# KiCad board Quanta75_RP2040Stamp_JLCPCBAoptimized.kicad_pcb (continued)
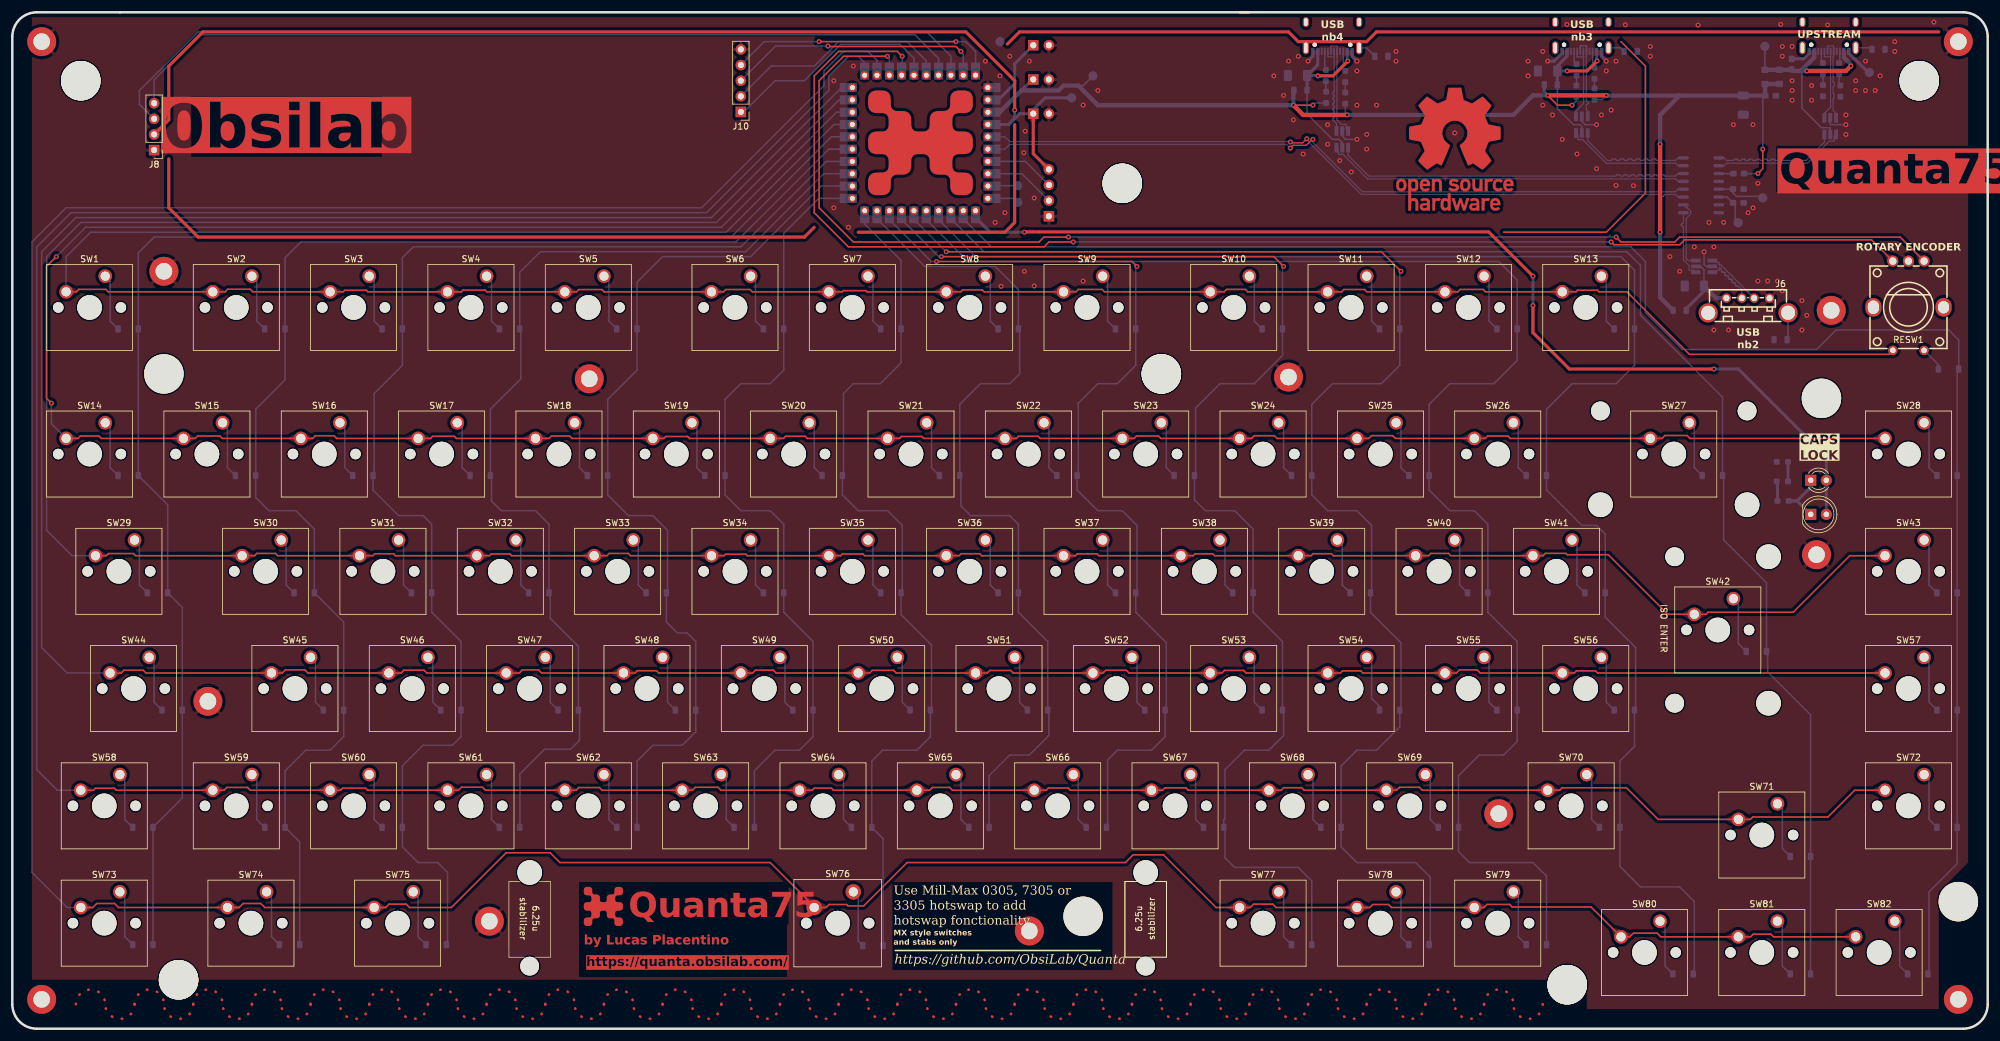
[diagram p0: board, top side]
## Routing (per net, layer and track width the routed paths; a pad name or vN(x,y) marks a point on that pad's centre or on a via; arc(x,y) is an arc through that point) (continued)
USB1_D-: length 117.4
  Top w0.2: v1(210.14,144.57) 209.47,143.9 207.6,143.9 v1(207.47,144.03)
  Bottom w0.2: U2.3 270.4,135.1 269.99,135.51 268.29,135.51 arc(268.16,135.46) 268.11,135.34 arc(268.06,135.21) 267.94,135.16 267.89,135.16 arc(267.76,135.21) 267.71,135.34 arc(267.66,135.46) 267.54,135.51 218.98,135.51 210.14,144.34 v1(210.14,144.57) ; U1.35 161.12,144.88 161.89,144.1 207.4,144.1 v1(207.47,144.03)
USB2_D+: length 11.3
  Bottom w0.2: D84.6 272.02,124.78 271.73,125.07 271.73,131.59 272.45,132.32 272.45,132.8 271.87,133.38 271.73,133.38 U2.2
USB2_D-: length 11.4
  Bottom w0.2: U2.1 271.28,130.97 arc(271.22,130.84) 271.09,130.78 arc(270.96,130.73) 270.91,130.6 270.91,130.57 arc(270.96,130.44) 271.09,130.38 arc(271.22,130.33) 271.28,130.2 271.28,124.88 272.21,123.95 272.21,123.2 272.96,123.2 D84.4
USB3_D+: length 20.1
  Bottom w0.2: U2.8 270.4,141.45 269.99,141.04 266.97,141.04 arc(266.88,141.07) 266.84,141.17 arc(266.8,141.26) 266.71,141.3 266.32,141.3 arc(266.23,141.26) 266.19,141.17 arc(266.15,141.07) 266.06,141.04 265.67,141.04 arc(265.58,141.07) 265.54,141.17 arc(265.5,141.26) 265.41,141.3 265.02,141.3 arc(264.93,141.26) 264.89,141.17 arc(264.85,141.07) 264.76,141.04 264.37,141.04 arc(264.28,141.07) 264.24,141.17 arc(264.2,141.26) 264.11,141.3 263.72,141.3 arc(263.63,141.26) 263.59,141.17 arc(263.55,141.07) 263.46,141.04 263.07,141.04 arc(262.98,141.07) 262.94,141.17 arc(262.9,141.26) 262.81,141.3 262.42,141.3 arc(262.33,141.26) 262.29,141.17 arc(262.25,141.07) 262.16,141.04 261.77,141.04 arc(261.68,141.07) 261.64,141.17 arc(261.6,141.26) 261.51,141.3 261.12,141.3 arc(261.03,141.26) 260.99,141.17 arc(260.95,141.07) 260.86,141.04 260.47,141.04 arc(260.38,141.07) 260.34,141.17 arc(260.3,141.26) 260.21,141.3 259.82,141.3 arc(259.73,141.26) 259.69,141.17 arc(259.65,141.07) 259.56,141.04 258.94,141.04 255.74,144.23 D85.4
USB3_D-: length 20.1
  Bottom w0.2: D85.6 254.17,145.17 254.17,144.41 254.92,144.41 258.75,140.59 269.99,140.59 270.4,140.18 U2.7
USB4_D+: length 59
  Bottom w0.2: U2.6 270.4,138.91 269.99,138.5 268.29,138.5 arc(268.21,138.53) 268.18,138.61 arc(268.14,138.69) 268.06,138.72 267.69,138.72 arc(267.61,138.69) 267.58,138.61 arc(267.54,138.53) 267.46,138.5 267.09,138.5 arc(267.01,138.53) 266.98,138.61 arc(266.94,138.69) 266.86,138.72 266.49,138.72 arc(266.41,138.69) 266.38,138.61 arc(266.34,138.53) 266.26,138.5 265.89,138.5 arc(265.81,138.53) 265.78,138.61 arc(265.74,138.69) 265.66,138.72 265.29,138.72 arc(265.21,138.69) 265.18,138.61 arc(265.14,138.53) 265.06,138.5 264.69,138.5 arc(264.61,138.53) 264.58,138.61 arc(264.54,138.69) 264.46,138.72 264.09,138.72 arc(264.01,138.69) 263.98,138.61 arc(263.94,138.53) 263.86,138.5 263.49,138.5 arc(263.41,138.53) 263.38,138.61 arc(263.34,138.69) 263.26,138.72 262.89,138.72 arc(262.81,138.69) 262.78,138.61 arc(262.74,138.53) 262.66,138.5 262.29,138.5 arc(262.21,138.53) 262.18,138.61 arc(262.14,138.69) 262.06,138.72 261.69,138.72 arc(261.61,138.69) 261.58,138.61 arc(261.54,138.53) 261.46,138.5 261.09,138.5 arc(261.01,138.53) 260.98,138.61 arc(260.94,138.69) 260.86,138.72 260.49,138.72 arc(260.41,138.69) 260.38,138.61 arc(260.34,138.53) 260.26,138.5 220.2,138.5 216.85,141.85 216.85,143.11
USB4_D-: length 59
  Bottom w0.2: 214.95,143.11 215.28,142.79 215.28,142.03 216.03,142.03 220.02,138.05 269.99,138.05 270.4,137.64 U2.5
USB_UP_D+: length 14
  Bottom w0.2: J1.A6 294.67,159.58 294.72,159.63 295.62,159.63 295.67,159.58 J1.B6 295.67,158.06 295.57,157.96 295.57,153.81 295.76,153.63 295.76,153.12 295.57,152.93 295.57,151.92 295.75,151.75 295.75,151.21 295.57,151.04 295.57,149.21 296.07,148.71 D83.3
USB_UP_D-: length 13.1
  Bottom w0.2: J1.A7 295.17,157.96 ; 295.17,157.96 295.17,149.72 294.17,148.71 D83.1 ; 295.17,157.96 295.1,157.88 294.22,157.88 294.17,157.93 J1.B7
Net-(D1-A): length 9.4
  Bottom w0.25: SW1.1 15.88,121.44 15.88,114.95 D1.2
Net-(D2-A): length 9.4
  Bottom w0.25: SW2.1 39.69,121.44 39.69,114.95 D2.2
Net-(D3-A): length 9.4
  Bottom w0.25: SW3.1 58.74,121.44 58.74,114.95 D3.2
Net-(D4-A): length 9.4
  Bottom w0.25: D4.2 77.79,114.95 77.79,121.44 SW4.1
Net-(D5-A): length 9.4
  Bottom w0.25: SW5.1 96.84,121.44 96.84,114.95 D5.2
Net-(D6-A): length 9.4
  Bottom w0.25: 121.93,113.67 120.65,114.95 120.65,121.44 SW6.1
Net-(D7-A): length 9.4
  Bottom w0.25: D7.2 139.7,114.95 139.7,121.44 SW7.1
Net-(D8-A): length 9.4
  Bottom w0.25: D8.2 158.75,114.95 158.75,121.44 SW8.1
Net-(D9-A): length 9.4
  Bottom w0.25: SW9.1 177.8,121.44 177.8,114.95 D9.2
Net-(D10-A): length 9.4
  Bottom w0.25: SW10.1 201.61,121.44 201.61,114.95 D10.2
Net-(D11-A): length 9.4
  Bottom w0.25: D11.2 220.66,114.95 220.66,121.44 SW11.1
Net-(D12-A): length 9.4
  Bottom w0.25: D12.2 239.71,114.95 239.71,121.44 SW12.1
Net-(D13-A): length 9.4
  Bottom w0.25: SW13.1 258.76,121.44 258.76,114.95 D13.2
Net-(D14-A): length 9.4
  Bottom w0.25: SW14.1 15.88,97.63 15.88,91.14 D14.2
Net-(D15-A): length 9.4
  Bottom w0.25: D15.2 34.93,91.14 34.93,97.63 SW15.1
Net-(D16-A): length 9.4
  Bottom w0.25: SW16.1 53.98,97.63 53.98,91.14 D16.2
Net-(D17-A): length 9.4
  Bottom w0.25: D17.2 73.03,91.14 73.03,97.63 SW17.1
Net-(D18-A): length 9.4
  Bottom w0.25: D18.2 92.08,91.14 92.08,97.63 SW18.1
Net-(D19-A): length 9.4
  Bottom w0.25: SW19.1 111.13,97.63 111.13,91.14 D19.2
Net-(D20-A): length 9.4
  Bottom w0.25: SW20.1 130.18,97.63 130.18,91.14 D20.2
Net-(D21-A): length 9.4
  Bottom w0.25: D21.2 149.23,91.14 149.23,97.63 SW21.1
Net-(D22-A): length 9.4
  Bottom w0.25: SW22.1 168.28,97.63 168.28,91.14 D22.2
Net-(D23-A): length 9.4
  Bottom w0.25: SW23.1 187.33,97.63 187.33,91.14 D23.2
Net-(D24-A): length 9.4
  Bottom w0.25: SW24.1 206.38,97.63 206.38,91.14 D24.2
Net-(D25-A): length 9.4
  Bottom w0.25: D25.2 225.43,91.14 225.43,97.63 SW25.1
Net-(D26-A): length 9.4
  Bottom w0.25: SW26.1 244.48,97.63 244.48,91.14 D26.2
Net-(D27-A): length 9.4
  Bottom w0.25: D27.2 273.05,91.14 273.05,97.63 SW27.1
Net-(D28-A): length 9.4
  Bottom w0.25: D28.2 311.15,91.14 311.15,97.63 SW28.1
Net-(D29-A): length 9.4
  Bottom w0.25: D29.2 20.64,72.09 20.64,78.58 SW29.1
Net-(D30-A): length 9.4
  Bottom w0.25: D30.2 44.45,72.09 44.45,78.58 SW30.1
Net-(D31-A): length 9.4
  Bottom w0.25: D31.2 63.5,72.09 63.5,78.58 SW31.1
Net-(D32-A): length 9.4
  Bottom w0.25: D32.2 82.55,72.09 82.55,78.58 SW32.1
Net-(D33-A): length 9.4
  Bottom w0.25: SW33.1 101.6,78.58 101.6,72.09 D33.2
Net-(D34-A): length 9.4
  Bottom w0.25: 121.93,70.81 120.65,72.09 120.65,78.58 SW34.1
Net-(D35-A): length 9.4
  Bottom w0.25: D35.2 139.7,72.09 139.7,78.58 SW35.1
Net-(D36-A): length 9.4
  Bottom w0.25: SW36.1 158.75,78.58 158.75,72.09 D36.2
Net-(D37-A): length 9.4
  Bottom w0.25: SW37.1 177.8,78.58 177.8,72.09 D37.2
Net-(D38-A): length 9.4
  Bottom w0.25: D38.2 196.85,72.09 196.85,78.58 SW38.1
Net-(D39-A): length 9.4
  Bottom w0.25: SW39.1 215.9,78.58 215.9,72.09 D39.2
Net-(D40-A): length 9.4
  Bottom w0.25: SW40.1 234.95,78.58 234.95,72.09 D40.2
Net-(D41-A): length 9.4
  Bottom w0.25: 255.28,70.81 254,72.09 254,78.58 SW41.1
Net-(D42-A): length 9.4
  Bottom w0.25: SW42.1 280.19,69.06 280.19,62.56 D42.2
Net-(D43-A): length 9.4
  Bottom w0.25: SW43.1 311.15,78.58 311.15,72.09 D43.2
Net-(D44-A): length 9.4
  Bottom w0.25: D44.2 23.02,53.04 23.02,59.53 SW44.1
Net-(D45-A): length 9.4
  Bottom w0.25: SW45.1 49.21,59.53 49.21,53.04 D45.2
Net-(D46-A): length 9.4
  Bottom w0.25: SW46.1 68.26,59.53 68.26,53.04 D46.2
Net-(D47-A): length 9.4
  Bottom w0.25: D47.2 87.31,53.04 87.31,59.53 SW47.1
Net-(D48-A): length 9.4
  Bottom w0.25: D48.2 106.36,53.04 106.36,59.53 SW48.1
Net-(D49-A): length 9.4
  Bottom w0.25: D49.2 125.41,53.04 125.41,59.53 SW49.1
Net-(D50-A): length 9.4
  Bottom w0.25: SW50.1 144.46,59.53 144.46,53.04 D50.2
Net-(D51-A): length 9.4
  Bottom w0.25: D51.2 163.51,53.04 163.51,59.53 SW51.1
Net-(D52-A): length 9.4
  Bottom w0.25: D52.2 182.56,53.04 182.56,59.53 SW52.1
Net-(D53-A): length 9.4
  Bottom w0.25: SW53.1 201.61,59.53 201.61,53.04 D53.2
Net-(D54-A): length 9.4
  Bottom w0.25: SW54.1 220.66,59.53 220.66,53.63 221.94,52.35 D54.2
Net-(D55-A): length 9.4
  Bottom w0.25: D55.2 239.71,53.04 239.71,59.53 SW55.1
Net-(D56-A): length 9.4
  Bottom w0.25: SW56.1 258.76,59.53 258.76,53.04 D56.2
Net-(D57-A): length 9.4
  Bottom w0.25: D57.2 311.15,53.04 311.15,59.53 SW57.1
Net-(D58-A): length 9.4
  Bottom w0.25: SW58.1 18.26,40.48 18.26,33.99 D58.2
Net-(D59-A): length 9.4
  Bottom w0.25: D59.2 39.69,33.99 39.69,40.48 SW59.1
Net-(D60-A): length 9.4
  Bottom w0.25: SW60.1 58.74,40.48 58.74,33.99 D60.2
Net-(D61-A): length 9.4
  Bottom w0.25: D61.2 77.79,33.99 77.79,40.48 SW61.1
Net-(D62-A): length 9.4
  Bottom w0.25: SW62.1 96.84,40.48 96.84,33.99 D62.2
Net-(D63-A): length 9.4
  Bottom w0.25: D63.2 115.89,33.99 115.89,40.48 SW63.1
Net-(D64-A): length 9.4
  Bottom w0.25: SW64.1 134.94,40.48 134.94,33.99 D64.2
Net-(D65-A): length 9.4
  Bottom w0.25: SW65.1 153.99,40.48 153.99,33.99 D65.2
Net-(D66-A): length 9.4
  Bottom w0.25: D66.2 173.04,33.99 173.04,40.48 SW66.1
Net-(D67-A): length 9.4
  Bottom w0.25: D67.2 192.09,33.99 192.09,40.48 SW67.1
Net-(D68-A): length 9.4
  Bottom w0.25: D68.2 211.14,33.99 211.14,40.48 SW68.1
Net-(D69-A): length 9.4
  Bottom w0.25: SW69.1 230.19,40.48 230.19,33.99 D69.2
Net-(D70-A): length 9.4
  Bottom w0.25: SW70.1 256.38,40.48 256.38,33.99 D70.2
Net-(D71-A): length 9.4
  Bottom w0.25: SW71.1 287.34,35.75 287.34,29.25 D71.2
Net-(D72-A): length 9.4
  Bottom w0.25: SW72.1 311.15,40.48 311.15,33.99 D72.2
Net-(D73-A): length 9.4
  Bottom w0.25: SW73.1 18.26,21.43 18.26,14.94 D73.2
Net-(D74-A): length 9.4
  Bottom w0.25: D74.2 42.07,14.94 42.07,21.43 SW74.1
Net-(D75-A): length 9.4
  Bottom w0.25: D75.2 65.88,14.94 65.88,21.43 SW75.1
Net-(D76-A): length 9.4
  Bottom w0.25: SW76.2 137.32,21.43 137.32,14.22 D76.2
Net-(D77-A): length 9.4
  Bottom w0.25: D77.2 206.38,14.94 206.38,21.43 SW77.1
Net-(D78-A): length 9.4
  Bottom w0.25: SW78.1 225.43,21.43 225.43,14.94 D78.2
Net-(D79-A): length 9.4
  Bottom w0.25: SW79.1 244.48,21.43 244.48,14.94 D79.2
Net-(D80-A): length 9.4
  Bottom w0.25: SW80.1 268.29,16.67 268.29,10.18 D80.2
Net-(D81-A): length 9.4
  Bottom w0.25: SW81.1 287.34,16.67 287.34,10.18 D81.2
Net-(D82-A): length 9.4
  Bottom w0.25: SW82.1 306.39,16.67 306.39,10.18 D82.2
Net-(D84-VP): length 13.8
  Bottom w0.25: C8.2 274.61,123.31 274.09,123.83 D84.5
  Bottom w0.5: C8.2 274.61,119.83 271.73,116.95 FB5.2
  Bottom w0.7: J6.1 276.59,118.67 C8.2
Net-(D85-VP): length 24.1
  Top w0.5: v1(257.27,157.2) 255.64,155.57 v1(252.41,155.57)
  Bottom w0.25: FB6.2 250.82,149.47 253.44,146.84 254.47,146.84 254.79,146.52 D85.5
  Bottom w0.5: v1(252.41,155.57) C5.1 250.8,153.35 FB6.2 ; 250.8,156.37 252.39,157.96 J9.A4 ; v1(257.27,157.2) 257.19,157.28 J9.B4
Net-(D86-VP): length 28.6
  Top w0.5: v1(216.79,157.16) 214.41,154.78 v1(211.93,154.78)
  Bottom w0.25: 215.9,143.11 215.9,143.92 215.36,144.46 214.31,144.46 210.18,148.6 FB7.2
  Bottom w0.5: v1(216.79,157.16) 216.71,157.24 J7.B4 ; v1(211.93,154.78) 211.87,154.84 C6.1 ; FB7.2 210.19,152.46 C6.1 ; C6.1 211.91,156.56 J7.A4
Net-(D87-K): length 10.1
  Bottom w0.5: D88.1 291.94,87.95 289.72,85.72 R12.1 289.76,85.72 D87.1
Net-(J1-CC1): length 2
  Bottom w0.25: J1.A5 293.67,157.11 R4.1
Net-(J1-CC2): length 2
  Bottom w0.25: J1.B5 296.67,156.98 R2.1
Net-(J1-SHIELD): length 2.7
  Bottom w0.25: 299.24,159.33 301.63,159.33 FB1.2
Net-(J5-Pin_2): length 11.1
  Bottom w0.25: J5.2 163.91,138.88 U1.38
Net-(J5-Pin_3): length 10.8
  Bottom w0.25: J5.3 164.45,140.88 U1.37
Net-(J6-Shield): length 4.4
  Bottom w0.25: 288.11,111.92 288.26,112.07 J6.5
Net-(J7-CC1): length 3.1
  Bottom w0.25: R5.1 213.06,155.91 J7.A5
Net-(J7-CC2): length 3.3
  Bottom w0.25: R8.1 216.06,155.9 J7.B5
Net-(J7-SHIELD): length 156.5
  Top w0.5: 161.53,159.94 163.51,161.93 207.17,161.93 208.76,160.34 219.87,160.34 221.46,161.93 312.74,161.93
  Bottom w0.25: FB8.2 219.81,159.33 J7.2
Net-(J9-CC1): length 2.2
  Bottom w0.25: J9.A5 253.54,157.06 R10.1
Net-(J9-CC2): length 2.8
  Bottom w0.25: J9.B5 256.54,156.42 R7.1
Net-(J9-SHIELD): length 2.8
  Bottom w0.25: FB3.2 261.09,159.33 259.11,159.33
Net-(J10-Pin_1): length 35.7
  Bottom w0.25: J10.1 118.75,148.91 123.83,153.99 128.59,153.99 134.49,159.89 144.12,159.89 146.37,157.64 U1.25
Net-(J10-Pin_2): length 36.8
  Bottom w0.25: U1.26 148.37,157.22 145.26,160.34 134.14,160.34 130.18,156.37 123.19,156.37 J10.2
Net-(J10-Pin_3): length 41.8
  Top w0.25: v1(153.99,158.75) 153.19,159.54 132.46,159.54 v1(132.39,159.61)
  Bottom w0.25: v1(153.99,158.75) 154.37,158.37 U1.29 ; v1(132.39,159.61) 123.89,159.61 J10.3
Net-(J10-Pin_4): length 43.6
  Top w0.25: v1(153.19,160.34) v1(130.97,160.34)
  Bottom w0.25: J10.4 122.07,160.34 v1(130.97,160.34) ; U1.30 156.37,158.75 154.78,160.34 v1(153.19,160.34)
Net-(R1-Pad1): length 1.7
  Bottom w0.25: R4.2 293.93,153.29 R1.1
Net-(R2-Pad2): length 1.9
  Bottom w0.25: R3.1 296.54,153.43 R2.2
Net-(R5-Pad2): length 1.7
  Bottom w0.25: R5.2 213.24,152.23 R6.1
Net-(R8-Pad2): length 1.7
  Bottom w0.25: R9.1 216.38,152.08 R8.2
Net-(R10-Pad2): length 1.6
  Bottom w0.25: R10.2 253.93,153.25 R14.1
Net-(R11-Pad1): length 1.6
  Bottom w0.25: R7.2 256.84,152.74 R11.1
Net-(R12-Pad2): length 3.2
  Bottom w0.5: R12.2 286.54,88.78 R13.1
Net-(R13-Pad2): length 3.2
  Bottom w0.5: R13.2 R15.1
Net-(RED1-A): length 4
  Bottom w0.25: 310.36,110.19 312.68,107.87 RED1.2
Net-(U1-BOOTSEL): length 4.5
  Bottom w0.25: TP1.1 162.57,134.88 U1.40
Net-(U1-~{RESET}): length 4.2
  Bottom w0.25: U1.39 159.08,136.93 TP2.1
Net-(U2-VDD5): length 2.4
  Bottom w0.25: C3.1 U2.11
Net-(U2-VDD18): length 6.3
  Bottom w0.25: U2.14 278.38,135.1 C2.1 279.69,133.78 279.69,131.4 TP12.1
Net-(U2-VDD33): length 8.1
  Bottom w0.25: U2.13 277.02,136.38 C1.1 279.33,135.8 279.92,135.21 283.89,135.21 TP11.1

## Copper pours and planes (outline as drawn; the poured copper is in the pictures)
GND on Top, Bottom: 317.5,26.99 312.74,22.22 312.74,3.18 255.59,3.18 255.59,7.94 3.18,7.94 3.18,164.31 317.5,164.31 ; 2 cut-outs

Small or netless copper shapes (teardrops, artwork), in the pictures only: 196 on Top, 579 on Bottom

## Text on the board
B.Silkscreen: 3V3 | GND | SDA | SCL | GPIO26 | GPIO29 | GPIO25 | GPIO30 | I²C OLED | or | 0bsilab | MX style switches / and stabs only | https://github.com/ObsiLab/rmk_firmware / https://rmk.obsilab.com/ | UPSTREAM | USB / nb4 | USB / nb3 | USB / nb2 | Try the Quanta with RMK firmware | https://github.com/ObsiLab/Quanta | Use Mill-Max 0305, 7305 or / 3305 hotswap to add / hotswap fonctionality | https://quanta.obsilab.com/ | by Lucas Placentino | PEC12R-4-S | Place RP2040 / Stamp here | Quanta75
Top: 0bsilab | Quanta75 | by Lucas Placentino | https://quanta.obsilab.com/
F.Mask: 0bsilab | Quanta75 | by Lucas Placentino | https://quanta.obsilab.com/
F.Silkscreen: ISO ENTER | MX style switches / and stabs only | USB / nb4 | USB / nb3 | USB / nb2 | UPSTREAM | ROTARY ENCODER | Use Mill-Max 0305, 7305 or / 3305 hotswap to add / hotswap fonctionality | https://github.com/ObsiLab/Quanta | CAPS / LOCK
